# Altium PCB I2C_Jog_Controller - host_module.pcbdoc (part 1 of 5)
Units mm, origin at the board's own origin, x right, y up, seen from the top; angles counter-clockwise.
Board outline 33.76 x 20.13 mm, 4 copper layers (Top Layer, L1, L2, Bottom Layer), stack 1.873 mm thick; 45 components, 39 nets, 5152 pads, 73 vias.
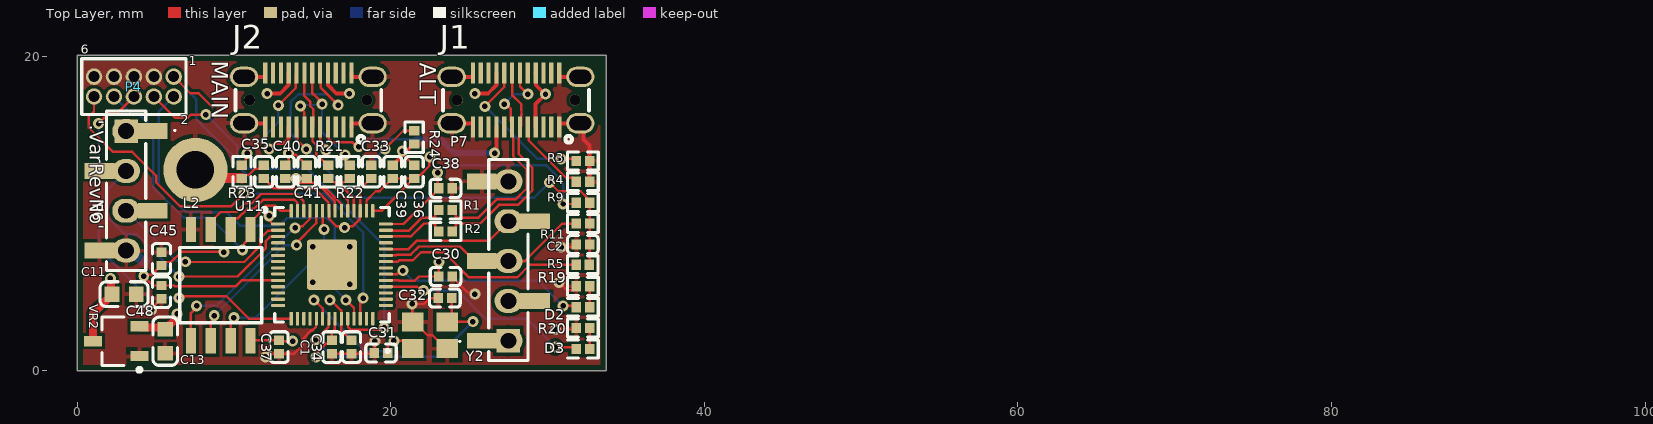
[diagram p0: Top Layer view]
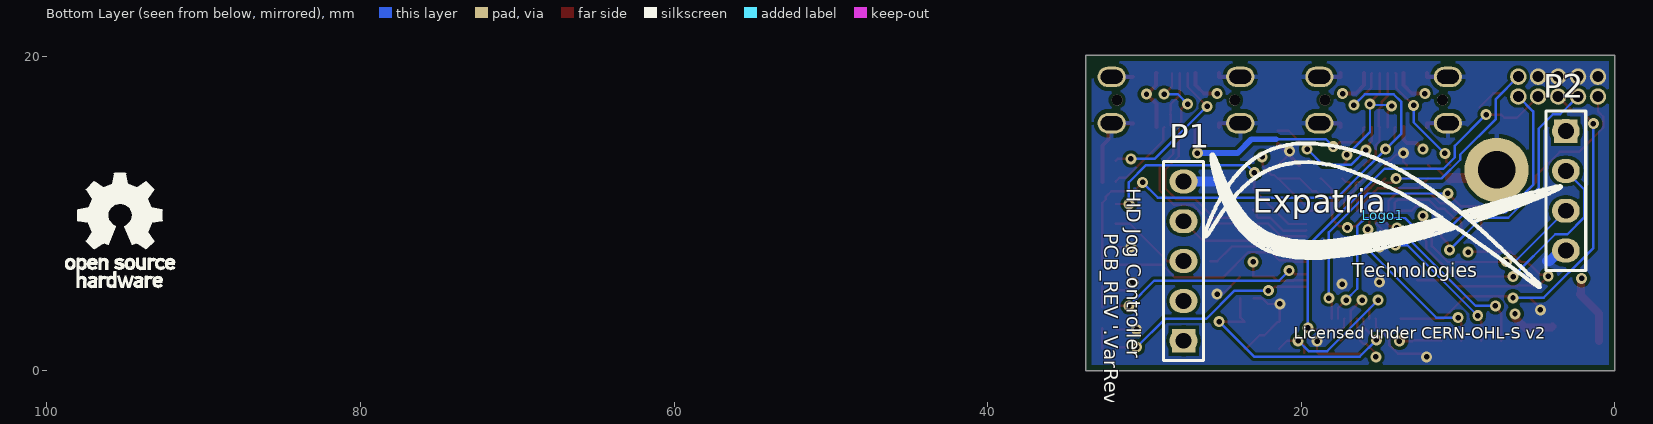
[diagram p1: Bottom Layer view, seen from below]
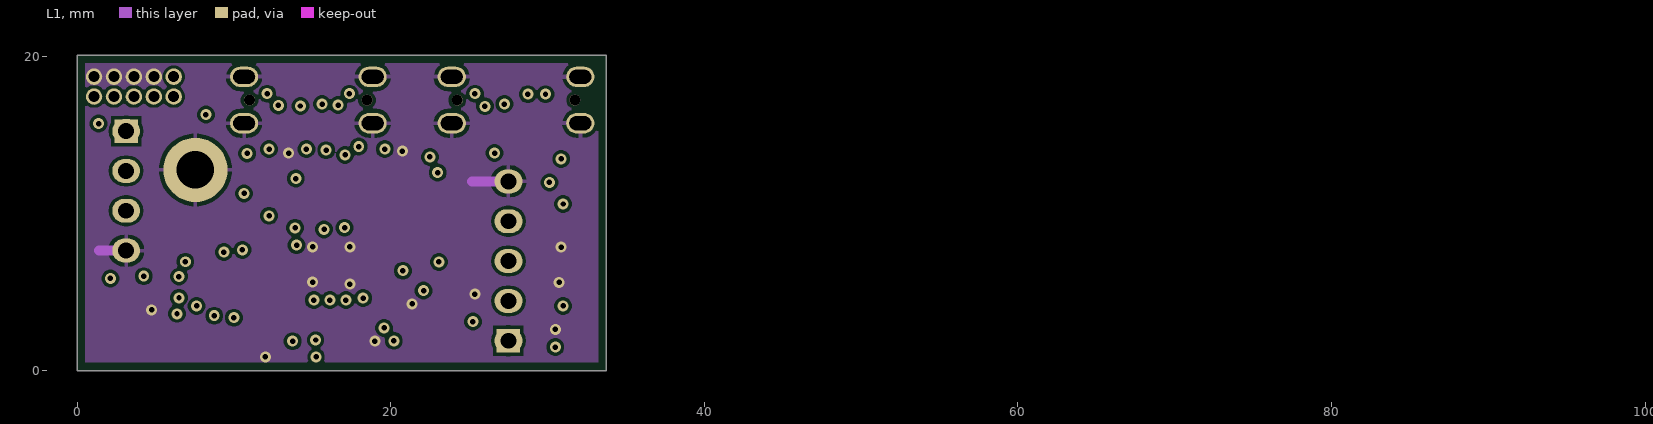
[diagram p2: L1]
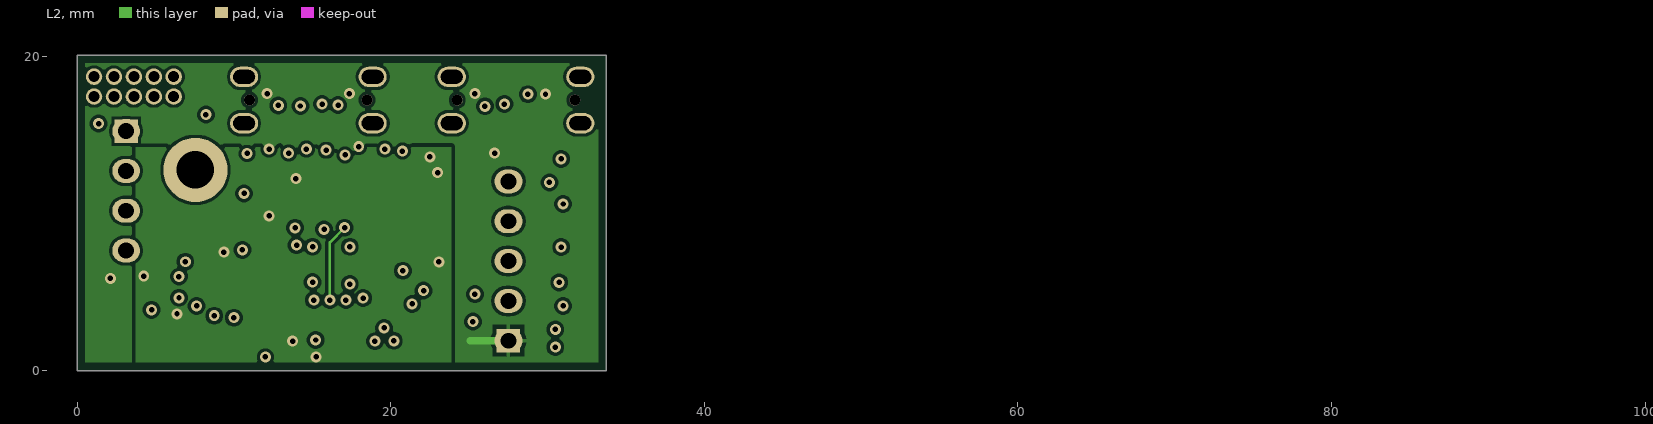
[diagram p3: L2]

## Layer stack, top to bottom
Top Solder: solder mask 0.0102, Solder Resist, Dk 3.5
Top Layer: signal copper 0.0356
Dielectric 1: prepreg 0.0711, PP-006, Dk 4.1
L1: signal copper 0.035
Dielectric1: dielectric 1.59, FR-4, Dk 4.8
L2: signal copper 0.035
Dielectric 2: prepreg 0.0711, PP-006, Dk 4.1
Bottom Layer: signal copper 0.0356
Bottom Solder: solder mask 0.0102, Solder Resist, Dk 3.5

## Board outline
0,0 33.76,0 33.76,20.125 0,20.125

## Design rules (kind name [scope] priority, off if disabled: settings)
BoardOutlineClearance [OnLayer('Top Layer')] p1: gap=0.381 ignorepadtopadclearanceinfootprint=FALSE
BoardOutlineClearance BoardOutlineClearance_3 [OnLayer('L2')] p2: gap=0.508 ignorepadtopadclearanceinfootprint=FALSE
BoardOutlineClearance BoardOutlineClearance_2 [OnLayer('L1')] p3: gap=0.508 ignorepadtopadclearanceinfootprint=FALSE
BoardOutlineClearance BoardOutlineClearance_1 [OnLayer('Bottom Layer')] p4: gap=0.381 ignorepadtopadclearanceinfootprint=FALSE
Clearance [All] p1: gap=0.203 ignorepadtopadclearanceinfootprint=TRUE except(0: SMDPad-Hole Fill-Hole Poly-Hole Region-Hole Text-Hole; 0.254: Arc-Text Arc-Hole Track-Text Track-Hole SMDPad-Text THPad-Text Via-Via Via-Text Fill-Fill Fill-Poly Fill-Region Fill-Text Poly-Poly Poly-Region Poly-Text Region-Region Region-Text Text-Text; 0.305: SMDPad-Via THPad-Via; 0.5: THPad-Hole Via-Hole; 0.508: SMDPad-SMDPad SMDPad-THPad THPad-THPad)
Clearance "Pad Clearance" [IsPad vs IsPad] p2: gap=0.254 ignorepadtopadclearanceinfootprint=TRUE except(0: Arc-Hole Track-Hole SMDPad-Hole THPad-Hole Via-Hole Fill-Hole Poly-Hole Region-Hole Text-Hole; 0.203: Arc-Arc Arc-Track Arc-Fill Arc-Poly Arc-Region Track-Track Track-Fill Track-Poly Track-Region SMDPad-Fill SMDPad-Poly SMDPad-Region THPad-Fill THPad-Poly THPad-Region Via-Fill Via-Poly Via-Region; 0.305: SMDPad-Via THPad-Via; 0.508: SMDPad-SMDPad SMDPad-THPad THPad-THPad)
DiffPairsRouting [All] p1: maxlimit=0.254 minlimit=0.203 mostfreqgap=0.203 toplayer_minwidth=0.152 toplayer_maxwidth=0.381 toplayer_prefwidth=0.254 midlayer1_minwidth=0.152 midlayer1_maxwidth=0.381 midlayer1_prefwidth=0.254 midlayer2_minwidth=0.152 midlayer2_maxwidth=0.381 midlayer2_prefwidth=0.254 bottomlayer_minwidth=0.152 bottomlayer_maxwidth=0.381 bottomlayer_prefwidth=0.254 maxuncoupledlength=12.7
HoleSize [All] p1: absolutevalues=TRUE maxlimit=5.08 minlimit=0.025 maxpercent=80.000 minpercent=20.000
MinimumAnnularRing [All] p1: minimumring=0.16
MinimumSolderMaskSliver [All] p1: minsoldermaskwidth=0.127
PolygonConnect [All] p1: connectstyle=Relief reliefconductorwidth=0.254 reliefentries=4 polygonreliefangle="90 Angle" airgapwidth=0.254
RoutingVias [All] p1: holewidth=0.711 width=1.27 viastyle="Through Hole" minholewidth=0.711 minwidth=1.27 maxholewidth=0.711 maxwidth=1.27 useviatemplates=TRUE viatemplateguid#1={2CB444D2-1296-41B5-8C08-6FC8006BB0C8} viatemplateguid#2={DAAB9991-4F4F-4E19-B013-B317EB39AD6D} viatemplateguid#3={258D7197-C609-4471-9505-9E0C03CAD9C0} viatemplatename#1=v70h35m0mx0_2670034071 viatemplatename#2=v85h50 viatemplatename#3=v127h71
SilkToSolderMaskClearance SilkscreenOverComponentPads [IsPad] p1: minsilkscreentomaskgap=0.254 clearancetoexposedcopper=TRUE
SolderMaskExpansion [All] p1: expansion=0.102 istentingtop=FALSE
ViasUnderSMD [All] p1: allowed=FALSE
Width [All] p1: maxlimit=5.08 minlimit=0.152 preferedwidth=0.203 minimp=50.000000 maximp=50.000000 favimp=50.000000
26 further rules are at their usual default settings.

## Classes and differential pairs
differential pair D: +D_p -D_n
differential pair DP: +DP_p -DP_n
differential pair D2: +D2_p -D2_n
differential pair DP_mod: +DP_mod_p -DP_mod_n

## Components (designator, comment, footprint, x,y, rotation, side; value= is the part's Value field where it differs from the comment)
C1 "100nF" 0402_C 16.25,1.5 r90 top
C2 "1.0uF" 0402_C 32.26,8.043 r0 top
C11 "22uF" 0603_C 3,4.875 r180 top
C13 "22uF" 0603_C 5.625,1.875 r90 top
C30 "4.7uF" 0402_C 23.5,6 r180 top
C31 "10pF" 0402_C 19.385,1.127 r180 top
C32 "10pF" 0402_C 23.46,4.627 r180 top
C33 "100nF" 0402_C 18.76,12.677 r270 top
C34 "100nF" 0402_C 17.51,1.502 r90 top
C35 "1.0uF" 0402_C 11.906,12.677 r270 top
C36 "1.0uF" 0402_C 21.5,12.677 r270 top
C37 "100nF" 0402_C 12.885,1.502 r90 top
C38 "100nF" 0402_C 23.5,11.625 r180 top
C39 "100nF" 0402_C 20.131,12.677 r270 top
C40 "100nF" 0402_C 13.277,12.677 r270 top
C41 "100nF" 0402_C 14.648,12.677 r270 top
C45 "100nF" 0402_C 5.385,7.127 r270 top
C48 "100nF" 0402_C 5.385,5.002 r90 top
D2 "0402 Green" "LED 0402_1005 RED" 32.26,4.043 r0 top
D3 "0402 Red" "LED 0402_1005 RED" 32.26,1.377 r0 top
J1 "GT-USB-7061" USB-C-SMD_GT-USB-7061 27.996,17.252 r180 top
J2 "GT-USB-7061" USB-C-SMD_GT-USB-7061 14.75,17.252 r180 top
L2 "W25Q16JVSSIQ" SOIC127P780X195-8N 9.165,5.452 r270 top
Logo1 "Expatria Technologies" Expatria-Logo -1113.018,1116.316 r180 bottom value="Expatria Logo"
P1 "Header 5" HDR1X5 27.51,1.905 r90 bottom
P2 "Header 4" HDR1X4 3.135,15.275 r270 bottom
P4 "62201021121" 62201021121 3.625,18.111 r180 top
P6 "Header 4 Bottom_Entry" NPTC041KFXCRC 3.135,11.465 r270 top locked
P7 "Header 5 Bottom_Entry" NPTC051KFXCRC 27.51,5.715 r90 top locked
R1 "22Ω ±1%" 0402_R 23.5,10.25 r180 top
R2 "22Ω ±1%" 0402_R 23.5,8.875 r180 top
R3 "5.1KΩ ±1%" 0402_R 32.26,13.375 r0 top
R4 "5.1KΩ ±1%" 0402_R 32.26,12.042 r0 top
R5 "22Ω ±1%" 0402_R 32.25,6.75 r180 top
R9 "1KΩ ±1%" 0402_R 32.26,10.709 r180 top
R11 "0Ω ±1%" 0402_R 32.26,9.376 r180 top
R19 "1KΩ ±1%" 0402_R 32.26,5.376 r180 top
R20 "1KΩ ±1%" 0402_R 32.26,2.71 r180 top
R21 "22Ω ±1%" 0402_R 16.018,12.677 r270 top
R22 "22Ω ±1%" 0402_R 17.389,12.677 r270 top
R23 "5.1KΩ ±1%" 0402_R 10.51,12.677 r270 top
R24 "5.1KΩ ±1%" 0402_R 21.5,14.875 r270 top
U11 "RP2040" RP2040 16.26,6.752 r0 top
VR2 "XC6206P332MR" SOT-23-3L 2.5,1.875 r0 top
Y2 "YSX321SL" YSX321SL 22.51,2.252 r0 top

## Footprints (in the part's own frame and the unit in brackets; to place one, negate y for a bottom-side part, rotate by r counter-clockwise, add the part's x,y. Pads: shape width x height; smd on the part's side, far side on the other; paste and mask are expansions set on the pad)
0402_C [mm]
  rect 0.6x0.65 smd mask+0.051: 1(-0.425,0) 2(0.425,0)
  silkscreen extent -0.97,-0.58 0.97,0.58, body extent -0.48,-0.3 0.52,0.3, height 0.2
0402_R [mm]
  rect 0.6x0.65 smd mask+0.051: 1(-0.425,0) 2(0.425,0)
  silkscreen extent -0.97,-0.58 0.97,0.58, body extent -0.57,-0.27 0.58,0.28, height 0.41
0603_C [mm]
  rect 0.93x0.98 smd: 1(-0.77,0) 2(0.77,0)
  silkscreen extent -1.53,-0.79 1.54,0.79, body extent -0.8,-0.4 0.8,0.4, height 0.3
62201021121 [mm] "Pin Header, pitch 1.27 mm, THT, Vertical, dual row, 10p"
  round 1.05 hole 0.7: 1(-2.54,-0.635) 2(-2.54,0.635) 3(-1.27,-0.635) 4(-1.27,0.635) 5(0,-0.635) 6(0,0.635) 7(1.27,-0.635) 8(1.27,0.635) 9(2.54,-0.635) 10(2.54,0.635)
  silkscreen extent -3.32,-1.78 3.32,1.77, body extent -3.17,-1.7 3.18,1.7, height 5.33
Expatria-Logo [mil] "Expatria DXF logo"